# Altium PCB Farmduino.PcbDoc (part 3 of 3)
Units mm, origin at the board's own origin, x right, y up, seen from the top; angles counter-clockwise.
Board outline 134.37 x 105.55 mm, 4 copper layers (TOP, GND, VCC, BOTTOM), stack 0.844 mm thick; 272 components, 240 nets, 1041 pads, 348 vias.
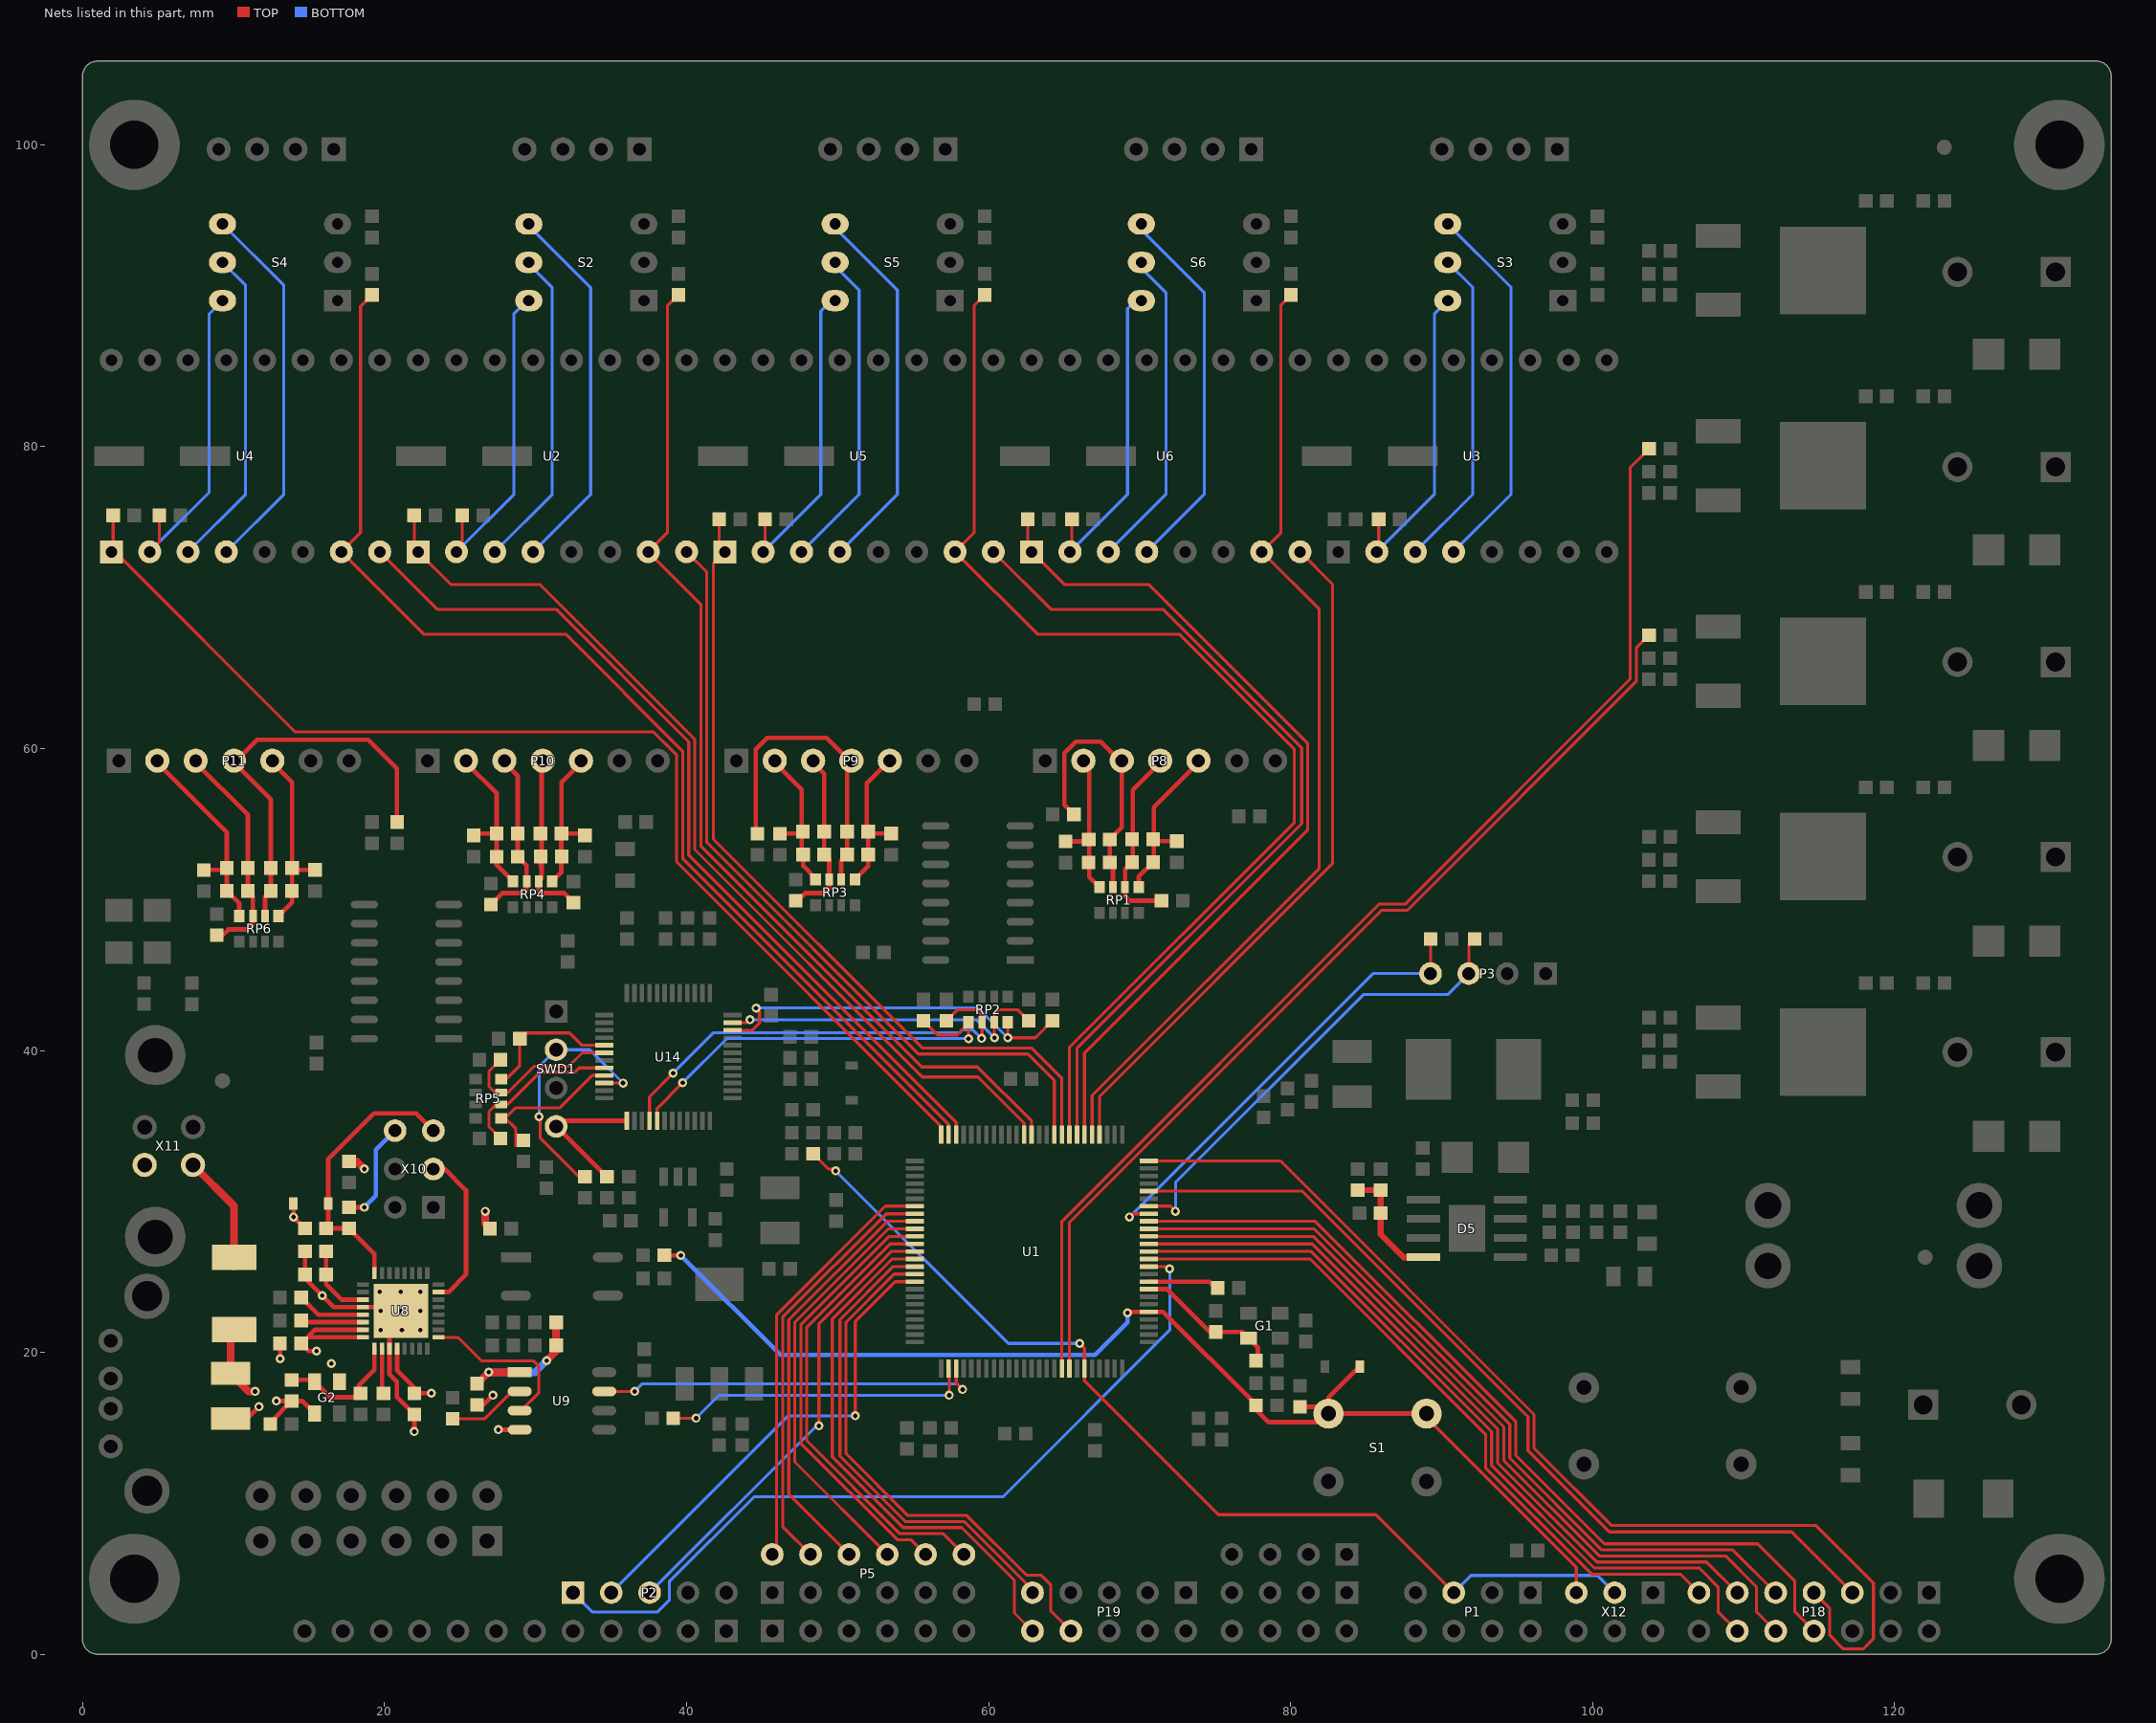
[diagram p5: the nets of this part, all layers, seen from the top]

## Via types
v1: diameter 0.6, hole 0.3, TOP to BOTTOM, 348 vias

## Nets (pads, with @x,y where several pads share a name; then routed paths per layer and width w, separated by ;. In a path a pad name is that pad's centre, name@x,y a point inside that pad or via, vN(x,y) a via of type N, cw(c..) or ccw(c..) an arc to the next point about the centre after c; other vN are vias at no path point) (continued)
PF5(A5): P2.2 U1.92 | length 32.3
  TOP w0.2: v1(51.173,15.797) 51.173,22.045 53.814,24.686 U1.92@55.107,24.686
  BOTTOM w0.2: P2.2@35.013,4.08 46.73,15.797 v1(51.173,15.797)
PF6(A6): P19.8 U1.91 | length 35.3
  TOP w0.2: U1.91@55.107,25.186 53.748,25.186 50.557,21.995 50.557,13.297 54.663,9.192 58.557,9.192 62.5,5.249 63.466,5.249 64.127,4.588 64.127,2.866 P19.8@65.453,1.54
PF7(A7): P19.9 U1.90 | length 32.1
  TOP w0.2: U1.90@55.107,25.686 53.683,25.686 50.157,22.16 50.157,13.132 54.497,8.792 58.391,8.792 62.913,4.27 P19.9@62.913,4.08
PG0(D18): P18.5 U1.46 | length 58.9
  TOP w0.2: U1.46@70.607,30.686 80.77,30.686 95.731,15.725 95.731,13.497 101.116,8.112 113.181,8.112 P18.5@117.213,4.08
PG1(D38): P18.7 U1.50 | length 71.4
  TOP w0.2: U1.50@70.607,32.686 79.336,32.686 96.131,15.891 96.131,13.663 101.269,8.525 114.8,8.525 118.61,4.715 118.61,1.032 117.928,0.35 116.625,0.35 115.723,1.252 115.723,3.03 P18.7@114.673,4.08
PK0(A8): P19.10 U1.89 | length 35.6
  TOP w0.2: U1.89@55.107,26.186 53.617,26.186 49.649,22.218 49.649,13.074 54.331,8.392 58.226,8.392 61.714,4.903 61.714,2.739 P19.10@62.913,1.54
PK1(A9): P2.3 U1.88 | length 30.9
  TOP w0.2: v1(48.76,15.129) 48.76,21.895 53.551,26.686 U1.88@55.107,26.686
  BOTTOM w0.2: P2.3@37.553,4.08 48.602,15.129 v1(48.76,15.129)
PL1(D48): P2.1 U1.36 | length 54
  TOP w0.2: U1.36@70.607,25.686 71.858,25.686 v1(72.001,25.543)
  BOTTOM w0.2: P2.1@32.473,4.08 33.743,2.81 38.092,2.81 38.854,3.572 38.854,4.815 44.469,10.43 60.952,10.43 72.001,21.479 v1(72.001,25.543)
PL2(D47): P18.13 U1.37 | length 46.9
  TOP w0.2: U1.37@70.607,26.186 81.311,26.186 92.918,14.578 92.918,12.35 99.956,5.312 105.821,5.312 P18.13@107.053,4.08
PL3(D46): P18.12 U1.38 | length 51.7
  TOP w0.2: U1.38@70.607,26.686 81.376,26.686 93.318,14.744 93.318,12.516 100.122,5.712 107.072,5.712 108.323,4.461 108.323,2.81 P18.12@109.593,1.54
PL4(D45): P18.11 U1.39 | length 49.9
  TOP w0.2: U1.39@70.607,27.186 81.442,27.186 93.718,14.91 93.718,12.681 100.288,6.112 107.561,6.112 P18.11@109.593,4.08
PL5(D44): P18.10 U1.40 | length 54.6
  TOP w0.2: U1.40@70.607,27.686 81.508,27.686 94.131,15.062 94.131,12.834 100.453,6.512 108.812,6.512 110.863,4.461 110.863,2.81 P18.10@112.133,1.54
PL6(D43): P18.9 U1.41 | length 52.8
  TOP w0.2: U1.41@70.607,28.186 81.573,28.186 94.531,15.228 94.531,13 100.619,6.912 109.301,6.912 P18.9@112.133,4.08
PL7(D42): P18.8 U1.42 | length 57.8
  TOP w0.2: U1.42@70.607,28.686 81.639,28.686 94.931,15.394 94.931,13.166 100.785,7.312 110.933,7.312 113.403,4.842 113.403,2.81 P18.8@114.673,1.54
RD+: R44.2 U8.29 | length 4.6
  TOP w0.3: R44.2@14.473,23.638 15.612,22.499 U8.29@18.574,22.499
RD-: R43.2 U8.30 | length 4
  TOP w0.3: R43.2@14.588,21.999 U8.30@18.574,21.999
RESET_U1(RESET): C7.1 C27.1 D1.1 R20.2 S1.2 U1.30 X12.5 | length 80.5
  TOP w0.2: S1.2@89.019,15.946 89.019,15.683 98.933,5.769 X12.5@98.933,4.08
  TOP w0.3: C27.1@38.523,26.432 v1(39.616,26.432) ; v1(69.207,22.622) 69.271,22.686 U1.30@70.607,22.686 71.556,22.686 77.716,16.526 C7.1@77.716,16.484 77.716,16.204 78.537,15.383 81.956,15.383 S1.2@82.161,15.588 ; R20.2@80.637,16.394 82.152,16.394 82.161,16.385 S1.2@82.161,15.588 ; D1.1@84.588,19.066 82.519,16.997 S1.2@82.519,15.946 ; S1.2@89.019,15.946 S1.2@82.519,15.946 ; S1.2@82.161,15.588 S1.2@82.519,15.946
  BOTTOM w0.3: v1(39.616,26.432) 46.22,19.828 67.048,19.828 69.207,21.987 v1(69.207,22.622)
RESET_U4: C22.1 D4.1 R38.2 U8.24 X10.5 | length 18.3
  TOP w0.3: R38.2@16.124,28.21 C22.1@17.645,28.21 19.324,26.531 U8.24@19.324,25.249 ; R38.2@16.262,28.348 D4.1@16.262,29.861 16.262,32.796 19.296,35.83 22.09,35.83 X10.5@23.233,34.687
RX0-T: U8.9 U9.3 | length 10.9
  TOP w0.2: U8.9@23.574,20.999 24.856,20.999 26.408,19.447 29.837,19.447 30.218,19.066 30.218,17.326 29.037,16.145 U9.3@28.948,16.145
RXD0(RX0): R46.1 U1.2 | length 20.7
  TOP w0.2: R46.1@39.108,15.637 v1(40.632,15.637) ; U1.2@57.357,18.936 57.396,18.897 v1(57.396,17.161)
  BOTTOM w0.2: v1(40.632,15.637) 42.156,17.161 v1(57.396,17.161)
SCK_U1: P1.5 R60.1 U1.20 X12.3 | length 67.3
  TOP w0.2: R60.1@48.379,33.163 49.395,32.147 49.755,32.147 v1(49.882,32.02) ; v1(66.032,20.59) 66.357,20.265 U1.20@66.357,18.936 66.357,18.115 75.223,9.249 85.644,9.249 P1.5@90.813,4.08
  BOTTOM w0.2: v1(49.882,32.02) 61.312,20.59 v1(66.032,20.59) ; P1.5@90.813,4.08 91.956,5.223 100.33,5.223 X12.3@101.473,4.08
SCK_U4: U8.15 X10.3 | length 10.6
  TOP w0.3: X10.3@23.233,32.147 23.995,32.147 25.392,30.75 25.392,25.162 24.229,23.999 U8.15@23.574,23.999
SCL(D21): P3.4 R16.1 U1.43 | length 30.3
  TOP w0.2: v1(69.334,28.972) 69.548,29.186 U1.43@70.607,29.186 ; P3.4@89.273,45.101 R16.1@89.273,47.387
  BOTTOM w0.2: v1(69.334,28.972) 85.463,45.101 P3.4@89.273,45.101
SDA(D20): P3.3 R17.1 U1.44 | length 31.4
  TOP w0.2: U1.44@70.607,29.686 72.049,29.686 v1(72.382,29.353) ; P3.3@91.813,45.101 91.813,47.006 R17.1@92.194,47.387
  BOTTOM w0.2: v1(72.382,29.353) 72.382,31.258 84.828,43.704 90.416,43.704 P3.3@91.813,45.101
SWCLK: R56.2 SWD1.4 U14.37 | length 9.8
  TOP w0.3: R56.2@34.727,31.642 34.692,31.642 SWD1.4@31.361,34.973 31.734,35.346 U14.37@36.045,35.346 ; R56.2@34.885,31.801 R56.2@35.044,31.642
SWDIO: R54.2 SWD1.2 U14.34 | length 17.2
  TOP w0.2: v1(30.231,35.611) 30.311,35.531 30.311,34.179 32.848,31.642 R54.2@33.52,31.642 ; U14.34@34.545,37.846 v1(35.79,37.846)
  BOTTOM w0.2: v1(30.231,35.611) 30.231,38.923 SWD1.2@31.361,40.053 33.583,40.053 v1(35.79,37.846)
TX0-T: R45.1 U9.2 | length 5.2
  TOP w0.2: R45.1@24.503,15.594 26.619,15.594 28.44,17.415 U9.2@28.948,17.415
TXAL1: C23.1 G2.1 R39.1 U8.1 | length 8.6
  TOP w0.2: G2.1@15.232,18.177 G2.1@15.359,18.05 ; R39.1@18.153,17.034 R39.1@18.407,17.288
  TOP w0.3: C23.1@13.835,18.177 G2.1@15.232,18.177 ; G2.1@15.359,18.05 16.375,17.034 R39.1@18.153,17.034 ; R39.1@18.153,17.288 18.28,17.415 18.28,17.796 19.324,18.84 U8.1@19.324,20.249
TXAL2: R42.2 U8.2 | length 3
  TOP w0.3: R42.2@19.804,17.293 19.824,17.313 U8.2@19.824,20.249
TXD0(TX0): U1.3 U9.7 | length 25.7
  TOP w0.2: U9.7@34.548,17.415 v1(36.568,17.415) ; U1.3@57.857,18.936 57.857,17.97 v1(58.285,17.542)
  BOTTOM w0.2: v1(36.568,17.415) 37.076,17.923 57.904,17.923 v1(58.285,17.542)
U1_MS1: R27.1 S2.6 U2.2 | length 21.1
  TOP w0.2: U2.2@24.757,73.04 25.138,73.421 R27.1@25.138,75.454
  BOTTOM w0.2: U2.2@24.757,73.04 28.567,76.85 28.567,88.821 S2.6@29.424,89.678
U1_MS2: S2.5 U2.3 | length 21.5
  BOTTOM w0.2: U2.3@27.297,73.04 31.107,76.85 31.107,90.535 S2.5@29.424,92.218
U1_MS3: S2.4 U2.4 | length 25
  BOTTOM w0.2: S2.4@29.424,94.758 33.647,90.535 33.647,76.85 U2.4@29.837,73.04
U2_MS1: R28.1 S3.6 U3.2 | length 20.8
  TOP w0.2: U3.2@85.717,73.04 85.844,73.167 R28.1@85.844,75.2
  BOTTOM w0.2: U3.2@85.717,73.04 89.527,76.85 89.527,88.789 S3.6@90.416,89.678
U2_MS2: S3.5 U3.3 | length 21.4
  BOTTOM w0.2: U3.3@88.257,73.04 92.067,76.85 92.067,90.567 S3.5@90.416,92.218
U2_MS3: S3.4 U3.4 | length 25
  BOTTOM w0.2: S3.4@90.416,94.758 94.607,90.567 94.607,76.85 U3.4@90.797,73.04
U3_MS1: R32.1 S4.6 U4.2 | length 21.3
  TOP w0.2: U4.2@4.437,73.04 5.072,73.675 R32.1@5.072,75.454
  BOTTOM w0.2: U4.2@4.437,73.04 8.374,76.977 8.374,88.789 S4.6@9.263,89.678
U3_MS2: S4.5 U4.3 | length 21.4
  BOTTOM w0.2: U4.3@6.977,73.04 10.787,76.85 10.787,90.694 S4.5@9.263,92.218
U3_MS3: S4.4 U4.4 | length 25
  BOTTOM w0.2: S4.4@9.263,94.758 13.327,90.694 13.327,76.85 U4.4@9.517,73.04
U4_MS1: R33.1 S5.6 U5.2 | length 20.7
  TOP w0.2: U5.2@45.077,73.04 45.204,73.167 R33.1@45.204,75.2
  BOTTOM w0.2: U5.2@45.077,73.04 48.887,76.85 48.887,88.979 S5.6@49.586,89.678
U4_MS2: S5.5 U5.3 | length 21.5
  BOTTOM w0.2: U5.3@47.617,73.04 51.427,76.85 51.427,90.376 S5.5@49.586,92.218
U4_MS3: S5.4 U5.4 | length 25.1
  BOTTOM w0.2: S5.4@49.586,94.758 53.967,90.376 53.967,76.85 U5.4@50.157,73.04
U5_MS1: R34.1 S6.6 U6.2 | length 20.7
  TOP w0.2: U6.2@65.397,73.04 65.524,73.167 R34.1@65.524,75.2
  BOTTOM w0.2: U6.2@65.397,73.04 69.207,76.85 69.207,89.138 S6.6@69.747,89.678
U5_MS2: S6.5 U6.3 | length 21.6
  BOTTOM w0.2: U6.3@67.937,73.04 71.747,76.85 71.747,90.218 S6.5@69.747,92.218
U5_MS3: S6.4 U6.4 | length 25.2
  BOTTOM w0.2: S6.4@69.747,94.758 74.287,90.218 74.287,76.85 U6.4@70.477,73.04
USBGND: C22.2 C23.2 C24.2 C25.1 C29.1 C30.1 C31.1 C32.1 E4.2 G2.2 G2.4 U8.3 U8.28 U8.33 U9.4 X10.6 X11.4 | length 34.5
  TOP w0.3: E4.2@9.796,15.609 10.886,15.609 v1(11.676,16.399) ; C24.2@12.435,15.256 12.435,15.377 C23.2@13.835,16.777 ; v1(12.822,16.777) C23.2@13.835,16.777 ; v1(13.073,19.574) C31.1@13.073,20.59 ; C29.1@14.724,26.686 C30.1@14.724,25.162 14.724,24.908 v1(15.865,23.766) 16.633,22.999 U8.28@18.574,22.999 U8.33@20.824,22.999 ; G2.2@15.359,15.95 14.532,16.777 C23.2@13.835,16.777 ; C22.2@17.645,29.61 v1(18.658,29.61) ; U8.33@20.324,21.999 U8.3@20.324,20.249 20.324,18.546 20.82,18.05 20.82,17.034 C32.1@21.963,15.891 v1(21.963,14.748) ; C25.1@26.131,16.526 26.535,16.526 v1(27.17,17.161) ; v1(27.534,14.875) U9.4@28.948,14.875
  BOTTOM w0.3: v1(18.658,29.61) 19.423,30.375 19.423,33.417 X10.6@20.693,34.687
  other v1: 16.47,19.27 19.729,21.479 21.15,21.479 22.368,21.479 19.729,22.753 21.074,22.753 22.368,22.753 19.677,24.019 21.074,24.019 22.368,24.019
USBVCC: C25.2 C31.2 C32.2 D4.2 E4.1 F2.2 R38.1 R48.1 R53.1 RX.1 TX.1 U8.4 U8.31 U8.32 U9.1 | length 33
  TOP w0.3: D4.2@13.962,29.861 v1(13.962,28.972) R38.1@14.724,28.21 ; v1(15.486,20.082) 14.981,20.082 C31.2@14.473,20.59 C31.2@14.882,20.999 ; U8.32@18.574,20.999 C31.2@14.882,20.999 ; U8.31@18.574,21.499 15.382,21.499 C31.2@14.882,20.999 ; U8.4@20.824,20.249 20.824,18.808 C32.2@21.963,17.669 ; C32.2@21.963,17.291 v1(23.103,17.291)
  TOP w0.5: F2.2@9.796,21.296 E4.1@9.796,18.609 10.99,17.415 v1(11.422,17.415) ; R53.1@17.645,32.655 18.153,32.655 v1(18.661,32.147) ; C25.2@26.131,17.926 v1(26.89,18.685) U9.1@28.948,18.685 ; v1(26.662,29.353) 26.662,28.521 R48.1@26.982,28.201 ; v1(30.726,19.447) 31.361,20.082 RX.1@31.361,20.463 TX.1@31.361,21.987
  BOTTOM w0.5: v1(26.89,18.685) 29.964,18.685 v1(30.726,19.447)
VACUUM(D9): R8.1 U1.18 | length 65.5
  TOP w0.2: U1.18@65.357,18.936 65.357,28.62 86.029,49.292 87.749,49.292 102.9,64.443 102.9,66.665 R8.1@103.751,67.516
VFB: C38.2 D5.4 R78.1 R79.1 | length 7.6
  TOP w0.4: R79.1@84.447,30.75 85.968,30.75 85.968,29.229 R78.1@85.971,29.226 85.971,27.829 87.495,26.305 D5.4@88.511,26.305
VUCAP: C29.2 C30.2 U8.27 | length 5
  TOP w0.3: C29.2@16.124,26.686 C30.2@16.124,25.162 16.124,24.524 17.149,23.499 U8.27@18.574,23.499
WATER(D8): R7.1 U1.17 | length 78
  TOP w0.2: U1.17@64.857,18.936 64.857,28.686 85.863,49.692 87.583,49.692 102.5,64.609 102.5,78.616 R7.1@103.751,79.867
X1_A(PA11): C52.2 RP5.6 U14.32 | length 10.9
  TOP w0.2: C52.2@27.681,34.179 26.916,34.944 26.916,35.957 27.375,36.416 RP5.6@27.727,36.416 28.137,36.416 30.284,38.563 32.602,38.563 32.885,38.846 U14.32@34.545,38.846
X1_A+: C60.2 P11.5 R101.2 R103.1 RP6.1 | length 12.5
  TOP w0.3: P11.5@12.565,59.071 13.865,57.771 R103.1@13.865,50.576 13.865,49.799 RP6.1@12.978,48.912 ; C60.2@13.995,51.963 R101.2@15.391,51.963
X1_A-: C60.1 P11.4 R103.2 R105.1 RP6.2 | length 27.1
  TOP w0.3: RP6.2@12.078,48.912 12.078,50.189 R103.2@12.465,50.576 12.465,56.631 10.025,59.071 11.549,60.595 18.915,60.595 20.82,58.69 R105.1@20.82,55.134
X1_B(PA12): C54.2 RP5.5 U14.33 | length 10.1
  TOP w0.2: RP5.5@27.727,35.516 RP5.5@27.992,35.516 ; 28.694,33.668 28.694,34.814 RP5.5@27.992,35.516 ; U14.33@34.545,38.346 33.75,38.346 31.615,36.211 28.687,36.211 RP5.5@27.992,35.516
X1_B+: C59.2 P11.3 R100.2 R102.1 RP6.3 | length 15
  TOP w0.3: P11.3@7.485,59.071 10.944,55.612 R102.1@10.944,50.576 11.278,50.242 RP6.3@11.278,48.912 11.278,48.386 10.914,48.022 9.644,48.022 9.26,47.638 R100.2@8.882,47.638
X1_B-: C59.1 P11.2 R102.2 R104.1 RP6.4 | length 13.8
  TOP w0.3: P11.2@4.945,59.071 9.544,54.472 R102.2@9.544,50.576 10.378,49.742 RP6.4@10.378,48.912 ; R104.1@8.025,51.96 C59.1@9.416,51.96
X1_DIR(D27): U1.73 U4.8 | length 59
  TOP w0.2: U4.8@19.677,73.04 23.486,69.231 31.361,69.231 40.143,60.449 40.143,52.956 57.857,35.242 U1.73@57.857,34.436
X1_EN(D25): R29.2 U1.75 U4.1 | length 77.6
  TOP w0.2: R29.2@2.021,75.454 2.021,73.164 14.082,61.103 37.819,61.103 39.341,59.58 39.341,52.487 56.857,34.972 U1.75@56.857,34.436
X1_STEP(D26): R22.1 U1.74 U4.7 | length 78.6
  TOP w0.2: R22.1@19.169,90.059 18.407,89.297 18.407,74.31 U4.7@17.137,73.04 22.597,67.58 31.996,67.58 39.743,59.833 39.743,52.724 57.357,35.11 U1.74@57.357,34.436
X2_A(PA8): C57.2 RP5.8 U14.29 | length 9.1
  TOP w0.2: RP5.8@28.059,38.116 28.952,39.009 C57.2@28.952,40.783 29.333,41.164 32.25,41.164 33.068,40.346 U14.29@34.545,40.346
X2_A+: C50.2 P10.5 R95.2 R97.1 RP4.1 | length 10.2
  TOP w0.3: RP4.1@31.107,51.197 31.704,51.794 31.704,54.365 C50.2@31.717,54.378 ; R97.1@31.717,52.696 R97.1@31.717,52.861 ; P10.5@33.012,59.071 31.717,57.776 C50.2@31.717,54.378 ; R95.2@33.136,54.378 C50.2@31.717,54.378
X2_A-: C50.1 P10.4 R97.2 R99.1 RP4.2 | length 11.8
  TOP w0.3: 30.338,52.217 R97.2@30.338,52.861 ; P10.4@30.407,59.006 30.407,51.397 RP4.2@30.207,51.197 30.207,50.573 30.345,50.435 31.869,50.435 R99.1@32.504,49.8
X2_B(PA9): C56.2 RP5.7 U14.30 | length 11
  TOP w0.2: C56.2@27.681,39.386 26.916,38.621 26.916,37.608 27.308,37.216 RP5.7@27.727,37.216 28.175,37.216 29.922,38.963 32.208,38.963 33.091,39.846 U14.30@34.545,39.846
X2_B+: C51.2 P10.3 R94.2 R96.1 RP4.3 | length 14.4
  TOP w0.3: R94.2@27.043,49.67 27.808,50.435 29.202,50.435 29.407,50.64 RP4.3@29.407,51.197 29.407,52.262 R96.1@28.821,52.848 28.821,58.182 P10.3@27.932,59.071 ; 28.824,55.261 28.824,57.84
X2_B-: C51.1 P10.2 R96.2 R98.1 RP4.4 | length 10.6
  TOP w0.3: P10.2@25.392,59.071 27.424,57.039 C51.1@27.424,54.372 ; R98.1@26.027,54.372 C51.1@27.424,54.372 ; RP4.4@28.507,51.197 27.424,52.28 C51.1@27.424,54.372
X2_DIR(D30): U1.60 U2.8 | length 52.9
  TOP w0.2: U2.8@39.997,73.04 41.343,71.694 41.343,53.788 55.364,39.767 62.603,39.767 64.357,38.013 U1.60@64.357,34.436
X2_EN(D14): R25.2 U1.64 U2.1 | length 63.4
  TOP w0.2: R25.2@21.96,75.454 21.96,73.297 U2.1@22.217,73.04 24.375,70.882 30.276,70.882 40.543,60.615 40.543,53.318 55.618,38.243 59.301,38.243 62.357,35.187 U1.64@62.357,34.436
X2_STEP(D15): R35.1 U1.63 U2.7 | length 69.1
  TOP w0.2: R35.1@39.457,90.059 38.727,89.329 38.727,74.31 U2.7@37.457,73.04 40.943,69.554 40.943,53.553 55.58,38.916 59.263,38.916 62.857,35.322 U1.63@62.857,34.436
X-MAX(A14): P5.4 U1.83 | length 28.1
  TOP w0.2: P5.4@48.213,6.62 46.366,8.467 46.366,22.329 53.223,29.186 U1.83@55.107,29.186
X-MIN(A15): P5.2 U1.82 | length 28.1
  TOP w0.2: P5.2@45.673,6.62 45.966,6.913 45.966,10.176 45.966,22.495 53.157,29.686 U1.82@55.107,29.686
XTAL1: R19.2 U1.34 | length 4.8
  TOP w0.3: U1.34@70.607,24.686 74.633,24.686 R19.2@75.173,24.146
XTAL2: C1.1 G1.1 R18.1 U1.33 | length 9.7
  TOP w0.3: U1.33@70.607,24.186 71.834,24.186 74.668,21.352 R18.1@75.049,21.352 76.803,21.352 G1.1@77.215,20.94 77.843,20.312 C1.1@77.843,19.447
XVCC: F2.1 X11.1 | length 7.9
  TOP w0.5: X11.1@7.307,32.421 10.025,29.703 F2.1@10.025,25.67
Y-MAX(A12): P5.8 U1.85 | length 28.4
  TOP w0.2: P5.8@53.293,6.62 47.166,12.747 47.166,21.998 53.354,28.186 U1.85@55.107,28.186
Y-MIN(A13): P5.6 U1.84 | length 28.2
  TOP w0.2: P5.6@50.753,6.62 46.766,10.607 46.766,22.164 53.288,28.686 U1.84@55.107,28.686
Y_A(PB4): C39.2 RP2.6 U14.40 | length 29.6
  TOP w0.2: U14.40@37.499,35.392 U14.40@37.545,35.346 37.545,36.934 v1(39.108,38.497) ; C39.2@57.206,41.974 57.92,42.688 59.174,42.688 59.555,42.307 ; v1(59.537,40.798) 59.57,40.831 RP2.6@59.57,41.877
  BOTTOM w0.2: v1(39.108,38.497) 41.798,41.187 58.083,41.187 58.283,41.387 58.948,41.387 v1(59.537,40.798)
Y_A+: C67.2 P9.5 R89.2 R91.1 RP3.1 | length 10.1
  TOP w0.3: RP3.1@51.143,51.324 52.03,52.211 R91.1@52.03,54.505 ; R91.1@51.933,54.505 51.933,57.714 P9.5@53.29,59.071 ; R91.1@52.16,54.375 R89.2@53.556,54.375
Y_A-: C67.1 P9.4 R91.2 R93.1 RP3.2 | length 21.2
  TOP w0.3: R93.1@44.696,54.367 44.577,54.486 44.577,59.968 45.331,60.722 49.099,60.722 ; 49.141,60.722 49.099,60.722 ; RP3.2@50.243,51.324 50.243,52.596 C67.1@50.635,52.988 C67.1@50.538,53.085 ; P9.4@50.533,58.854 50.533,58.695 P9.4@50.538,58.69 ; C67.1@50.63,53.177 R91.2@50.63,54.505 50.63,58.782 50.919,59.071 49.268,60.722 49.099,60.722
Y_B(PB5): C40.2 RP2.5 U14.41 | length 28.2
  TOP w0.2: U14.41@38.092,35.393 U14.41@38.045,35.346 38.045,36.164 v1(39.743,37.862) ; C40.2@55.682,41.974 56.619,41.037 57.904,41.037 RP2.5@58.67,41.803 ; v1(58.67,40.787) RP2.5@58.67,41.803 ; RP2.5@58.67,41.877 RP2.5@58.67,41.803
  BOTTOM w0.2: v1(39.743,37.862) 42.668,40.787 v1(58.67,40.787)
Y_B+: C44.2 P9.3 R88.2 R90.1 RP3.3 | length 11.3
  TOP w0.3: R88.2@47.236,49.924 47.36,49.924 47.871,50.435 49.141,50.435 49.443,50.737 RP3.3@49.443,51.324 49.443,52.659 C44.2@49.114,52.988 49.114,58.336 P9.3@48.379,59.071
Y_B-: C44.1 P9.2 R90.2 R92.1 RP3.4 | length 10.3
  TOP w0.3: P9.2@45.839,59.071 47.617,57.293 C44.1@47.617,52.915 ; R92.1@46.19,54.37 R90.2@47.615,54.37 ; C44.1@47.714,52.988 47.714,52.241 48.543,51.412 RP3.4@48.543,51.324
Y_DIR(D33): U1.57 U5.8 | length 57.6
  TOP w0.2: U5.8@60.317,73.04 64.126,69.231 71.562,69.231 80.745,60.048 80.745,55.029 65.857,40.141 U1.57@65.857,34.436
Y_EN(D31): R30.2 U1.59 U5.1 | length 55
  TOP w0.2: R30.2@42.153,75.2 42.153,73.424 U5.1@42.537,73.04 41.775,72.278 41.775,53.991 55.599,40.167 62.838,40.167 64.857,38.148 U1.59@64.857,34.436
Y_STEP(D32): R36.1 U1.58 U5.7 | length 77.4
  TOP w0.2: R36.1@59.746,90.059 59.047,89.36 59.047,74.31 U5.7@57.777,73.04 63.237,67.58 72.636,67.58 80.256,59.96 80.256,55.106 65.357,40.207 U1.58@65.357,34.436
Z-MAX(A10): P5.12 U1.87 | length 30.5
  TOP w0.2: U1.87@55.107,27.186 53.485,27.186 47.966,21.666 47.966,14.145 54.119,7.992 57.001,7.992 P5.12@58.373,6.62
Z-MIN(A11): P5.10 U1.86 | length 29.1
  TOP w0.2: U1.86@55.107,27.686 53.42,27.686 47.566,21.832 47.566,13.979 53.953,7.592 54.861,7.592 P5.10@55.833,6.62
Z_A(PA1): C42.2 RP2.8 U14.10 | length 25.2
  TOP w0.2: U14.10@43.045,41.326 U14.10@43.045,41.346 44.353,41.346 44.831,41.823 44.831,42.588 v1(44.604,42.815) ; RP2.8@61.27,41.877 v1(61.27,40.846) 63.105,40.846 C42.2@64.233,41.974 ; C42.2@64.134,42.073 C42.2@64.233,42.172
  BOTTOM w0.2: v1(44.604,42.815) 59.301,42.815 v1(61.27,40.846)
Z_A+: C36.2 P8.5 R82.2 R84.1 RP1.1 | length 11.5
  TOP w0.3: RP1.1@69.943,50.816 69.943,51.518 R84.1@70.905,52.48 70.946,52.521 C36.2@70.946,53.997 ; R82.2@72.473,53.867 71.076,53.867 C36.2@70.946,53.997 ; P8.5@73.906,59.071 70.946,56.111 C36.2@70.946,53.997
Z_A-: C36.1 P8.4 R84.2 R86.1 RP1.2 | length 12.3
  TOP w0.3: R84.2@69.505,52.48 69.043,52.018 RP1.2@69.043,50.816 69.043,50.218 69.334,49.927 R86.1@71.457,49.927 ; R84.2@69.546,52.521 69.546,57.251 P8.4@71.366,59.071
Z_B(PA2): C41.2 RP2.7 U14.11 | length 22.2
  TOP w0.2: U14.11@43.045,41.846 44.005,41.846 v1(44.196,42.037) ; v1(60.403,40.836) 60.37,40.869 RP2.7@60.37,41.877 60.37,42.36 60.698,42.688 61.953,42.688 C41.2@62.667,41.974
  BOTTOM w0.2: v1(44.196,42.037) 59.202,42.037 v1(60.403,40.836)
Z_B+: C35.2 P8.3 R50.2 R83.1 RP1.3 | length 17.7
  TOP w0.3: R50.2@65.654,55.642 65.016,56.28 65.016,59.706 65.778,60.468 67.429,60.468 68.826,59.071 68.826,54.777 C35.2@68.033,53.984 68.033,52.472 R83.1@68.028,52.467 68.243,52.252 RP1.3@68.243,50.816
Z_B-: C35.1 P8.2 R83.2 R85.1 RP1.4 | length 10.1
  TOP w0.3: R85.1@65.107,53.849 C35.1@66.529,53.849 ; P8.2@66.286,59.071 66.669,58.688 66.669,51.49 RP1.4@67.343,50.816
Z_DIR(D36): U1.54 U6.8 | length 45.9
  TOP w0.2: U1.54@67.357,34.436 67.357,36.959 82.777,52.379 82.777,70.9 U6.8@80.637,73.04
Z_EN(D34): R31.2 U1.56 U6.1 | length 57.8
  TOP w0.2: R31.2@62.6,75.2 62.6,73.297 U6.1@62.857,73.04 65.015,70.882 70.604,70.882 81.145,60.341 81.145,54.626 66.357,39.838 U1.56@66.357,34.436
Z_STEP(D35): R37.1 U1.55 U6.7 | length 64.2
  TOP w0.2: U1.55@66.857,34.436 66.857,37.024 81.907,52.074 81.907,69.23 U6.7@78.097,73.04 79.367,74.31 79.367,89.392 R37.1@80.034,90.059
pads on no net: D5.2 D5.3 MA1.1 MA2.1 MA3.1 P1.2 P1.8 P18.14 U1.4 U1.8 U1.9 U1.12 U1.13 U1.14 U1.27 U1.28 U1.29 U1.47 U1.48 U1.49 U1.65 U1.66 U1.67 U1.68 U1.69 U1.70 U1.71 U1.72 U1.76 U1.77 U1.79 U8.5 U8.6 U8.7 U8.12 U8.14 U8.18 U8.19 U8.20 U8.21 U8.22 U8.23 U8.25 U8.26 U14.2 U14.3 U14.4 U14.6 U14.12 U14.13 U14.18 U14.19 U14.20 U14.21 U14.22 U14.25 U14.26 U14.27 U14.28 U14.31 U14.38 U14.39 U14.42 U14.43 U14.45 U14.46 X8.2 X8.3 X11.6

## Polygon pours and split planes (outlines as drawn)
GND on GND "BOTTOM-No Net" (hatched 90Degree grid 0.203 track 0.203, remove dead copper, pour order 93): 11.168,0.27 cw(c11.168,1.921) 9.517,1.921 9.517,2.048 9.517,9.414 cw(c10.787,9.414) 10.787,10.684 32.856,10.684 ccw(c32.856,11.47) 33.642,11.47 33.642,30.501 26.334,37.809 16.006,37.809 cw(c16.006,39.345) 14.47,39.345 14.47,47.758 ccw(c13.545,47.758) 13.545,48.683 5.528,48.683 cw(c5.528,49.901) 4.31,49.901 4.31,80.661 cw(c5.326,80.661) 5.326,81.677 101.084,81.677 cw(c101.084,80.788) 101.973,80.788 101.973,23.183 100.068,21.278 96.775,17.985 96.775,15.891 103.252,9.414 115.689,9.414 122.674,9.414 cw(c122.674,8.652) 123.436,8.652 123.436,1.032 cw(c122.674,1.032) 122.674,0.27 11.168,0.27
USBGND on GND "GND-No Net" (hatched 90Degree grid 0.203 track 0.203, remove dead copper, pour order 57): 20.439,13.224 9.771,13.224 cw(c9.771,14.113) 8.882,14.113 8.882,29.607 ccw(c7.993,29.607) 7.993,30.496 2.532,30.496 cw(c2.532,31.512) 1.516,31.512 1.516,35.322 cw(c2.405,35.322) 2.405,36.211 21.328,36.211 cw(c21.328,35.322) 22.217,35.322 22.217,31.258 ccw(c23.614,31.258) 23.614,29.861 29.456,29.861 cw(c29.456,28.718) 30.599,28.718 30.599,14.113 cw(c29.71,14.113) 29.71,13.224 20.439,13.224
5V on VCC "BOTTOM-No Net" (hatched 90Degree grid 0.203 track 0.203, remove dead copper, pour order 91): 11.041,0.27 cw(c11.041,1.794) 9.517,1.794 9.517,9.795 cw(c10.406,9.795) 10.406,10.684 32.782,10.684 ccw(c32.782,11.534) 33.633,11.534 33.633,19.388 cw(c34.454,19.388) 34.454,20.209 50.135,20.209 ccw(c50.135,20.971) 50.897,20.971 50.897,48.353 ccw(c50.085,48.353) 50.085,49.165 27.932,49.165 ccw(c27.932,48.276) 27.043,48.276 27.043,40.298 cw(c26.131,40.298) 26.131,39.386 15.317,39.386 cw(c15.317,40.36) 14.343,40.36 14.343,47.91 ccw(c13.342,47.91) 13.342,48.911 5.3,48.911 cw(c5.3,49.901) 4.31,49.901 4.31,80.661 cw(c5.326,80.661) 5.326,81.677 100.068,81.677 cw(c100.068,80.915) 100.83,80.915 100.83,23.581 99.617,22.368 96.775,19.526 96.775,10.303 96.775,1.041 cw(c96.004,1.041) 96.004,0.27 11.041,0.27
USBVCC on VCC "GND-No Net" (hatched 90Degree grid 0.203 track 0.203, remove dead copper, pour order 59): 29.837,13.224 9.771,13.224 cw(c9.771,14.24) 8.755,14.24 8.755,32.909 cw(c9.517,32.909) 9.517,33.671 22.725,33.671 cw(c22.725,32.655) 23.741,32.655 23.741,31.258 ccw(c25.011,31.258) 25.011,29.988 29.583,29.988 cw(c29.583,28.972) 30.599,28.972 30.599,13.986 cw(c29.837,13.986) 29.837,13.224
3.3V on VCC "GND-No Net" (hatched 90Degree grid 0.203 track 0.203, remove dead copper, pour order 65): 45.204,23.638 34.409,23.638 cw(c34.409,24.4) 33.647,24.4 33.647,47.133 cw(c34.536,47.133) 34.536,48.022 48.633,48.022 cw(c48.633,46.879) 49.776,46.879 49.776,25.162 cw(c48.252,25.162) 48.252,23.638 45.204,23.638
GND on TOP "BOTTOM-No Net" (hatched 90Degree grid 0.203 track 0.203, remove dead copper, pour order 85): 11.109,0.352 cw(c11.109,1.815) 9.645,1.815 9.645,2.602 9.645,9.481 cw(c10.703,9.481) 10.703,10.539 32.779,10.539 ccw(c32.779,11.534) 33.774,11.534 33.774,30.496 28.948,35.322 26.346,37.924 21.868,37.924 15.678,37.924 cw(c15.678,39.132) 14.47,39.132 14.47,47.944 ccw(c13.63,47.944) 13.63,48.784 5.31,48.784 cw(c5.31,49.792) 4.302,49.792 4.302,85.987 cw(c5.326,85.987) 5.326,87.011 101.338,87.011 cw(c101.338,85.995) 102.354,85.995 102.354,23.257 97.587,18.49 97.587,14.943 99.179,13.351 102.989,9.541 109.97,9.541 122.586,9.541 cw(c122.586,8.692) 123.435,8.692 123.435,0.904 cw(c122.674,0.904) 122.674,0.143 11.318,0.143 cw(c11.318,0.352) 11.109,0.352
USBGND on TOP "GND-No Net" (hatched 90Degree grid 0.203 track 0.203, remove dead copper, pour order 73): 20.439,13.224 9.771,13.224 cw(c9.771,14.113) 8.882,14.113 8.882,29.607 ccw(c7.993,29.607) 7.993,30.496 2.532,30.496 cw(c2.532,31.512) 1.516,31.512 1.516,35.322 cw(c2.405,35.322) 2.405,36.211 21.328,36.211 cw(c21.328,35.322) 22.217,35.322 22.217,31.258 ccw(c23.614,31.258) 23.614,29.861 29.456,29.861 cw(c29.456,28.718) 30.599,28.718 30.599,14.113 cw(c29.71,14.113) 29.71,13.224 20.439,13.224
GND on BOTTOM "BOTTOM-No Net" (hatched 90Degree grid 0.203 track 0.203, remove dead copper, pour order 95): 43.045,0.27 27.424,0.27 cw(c27.424,1.54) 26.154,1.54 26.154,9.033 cw(c27.805,9.033) 27.805,10.684 32.594,10.684 ccw(c32.594,11.737) 33.647,11.737 33.647,30.496 26.219,37.924 15.485,37.924 cw(c15.485,38.939) 14.47,38.939 14.47,47.96 ccw(c13.748,47.96) 13.748,48.682 5.125,48.682 cw(c5.125,49.495) 4.312,49.495 4.312,86.377 cw(c5.072,86.377) 5.072,87.138 101.338,87.138 cw(c101.338,86.376) 102.1,86.376 102.1,85.614 cw(c101.211,85.614) 101.211,84.725 ccw(c101.211,83.963) 100.449,83.963 100.449,22.082 99.211,20.844 97.587,19.22 97.587,15.891 103.162,10.316 105.008,10.316 106.226,9.098 110.99,4.334 110.99,2.429 110.99,0.905 cw(c110.482,0.905) 110.482,0.397 cw(c110.355,0.397) 110.355,0.27 43.045,0.27
USBGND on BOTTOM "GND-No Net" (hatched 90Degree grid 0.203 track 0.203, remove dead copper, pour order 75): 20.439,13.224 9.771,13.224 cw(c9.771,14.113) 8.882,14.113 8.882,29.607 ccw(c7.993,29.607) 7.993,30.496 2.532,30.496 cw(c2.532,31.512) 1.516,31.512 1.516,35.322 cw(c2.405,35.322) 2.405,36.211 21.328,36.211 cw(c21.328,35.322) 22.217,35.322 22.217,31.258 ccw(c23.614,31.258) 23.614,29.861 29.456,29.861 cw(c29.456,28.718) 30.599,28.718 30.599,14.113 cw(c29.71,14.113) 29.71,13.224 20.439,13.224

## Keep-outs
Keep-Out Layer:
  the board outline again, w0.1

## Other copper
TOP:
  rectangle net 3.3V: 40.632,20.209 45.585,25.543
  rectangle net GND: 90.482,25.162 92.918,30.115
  rectangle net NetC43_1: 93.21,29.861 95.75,41.164
  rectangle net NetLED5_2: 112.387,36.211 125.849,43.577
  rectangle net NetLED1_2: 112.387,87.773 125.341,95.266
  rectangle net NetLED2_2: 112.387,74.692 125.341,82.312
  rectangle net NetLED3_2: 112.387,62.119 125.468,69.358
  rectangle net NetLED4_2: 112.387,49.165 125.468,56.404
  rectangle net GND: 106.799,74.692 109.847,77.232
  rectangle net GND: 106.799,61.738 109.847,64.278
  rectangle net GND: 106.799,48.784 109.847,51.324
  rectangle net GND: 106.799,35.83 109.847,38.37
  rectangle net GND: 106.799,87.646 109.847,90.186
  pour cut-out: 32.758,11.827 36.568,8.017 36.568,-0.619 34.155,-0.619 32.758,0.778
  pour cut-out: 4.183,60.66 4.183,57.209 -0.008,57.209 -0.008,60.66
  pour cut-out: 102.227,74.057 102.227,71.136 102.608,70.755 104.386,70.755 104.513,70.882 104.513,73.93 104.132,74.311 102.608,74.311 102.354,74.057
  pour cut-out: 24.63,60.66 24.63,57.209 20.439,57.209 20.439,60.66
  pour cut-out: 45.077,60.66 45.077,57.209 40.886,57.209 40.886,60.66
  pour cut-out: 65.524,60.66 65.524,57.209 61.333,57.209 61.333,60.66
  pour cut-out: 12.565,21.479 12.565,18.812 11.549,17.796 12.692,17.796 12.819,17.669 12.819,21.225
GND:
  rectangle net GND: 103.751,36.084 110.609,89.932
  rectangle net NetLED5_2: 112.514,37.735 125.722,43.577
  rectangle net NetLED1_2: 112.387,87.773 125.341,95.266
  rectangle net NetLED2_2: 112.387,74.851 125.341,82.312
  rectangle net NetLED3_2: 112.387,61.928 125.341,69.358
  rectangle net NetLED4_2: 112.387,49.006 125.341,56.404
  pour cut-out: 65.524,60.66 65.524,57.209 62.095,57.209 62.095,60.66
  pour cut-out: 45.077,60.66 45.077,57.209 41.648,57.209 41.648,60.66
  pour cut-out: 24.63,60.66 24.63,57.209 21.201,57.209 21.201,60.66
VCC:
  rectangle net 24V: 127.246,36.338 131.945,92.726
  rectangle net NetLED1_2: 112.387,87.773 125.341,95.266
  rectangle net NetLED2_2: 112.387,74.851 125.341,82.312
  rectangle net NetLED3_2: 112.387,61.928 125.341,69.358
  rectangle net NetLED4_2: 112.387,49.006 125.341,56.404
  rectangle net NetLED5_2: 112.387,37.1 125.341,43.577
  pour cut-out: 4.056,60.787 4.056,57.336 0.627,57.336 0.627,60.787
  pour cut-out: 24.503,60.787 24.503,57.336 21.074,57.336 21.074,60.787
  pour cut-out: 44.95,60.787 44.95,57.336 41.521,57.336 41.521,60.787
  pour cut-out: 65.397,60.787 65.397,57.336 61.968,57.336 61.968,60.787
BOTTOM:
  rectangle net NetLED1_2: 112.387,87.773 125.341,95.266
  rectangle net NetLED2_2: 112.387,74.851 125.341,82.312
  rectangle net NetLED3_2: 112.387,61.928 125.341,69.358
  rectangle net NetLED4_2: 112.387,49.006 125.341,56.404
  rectangle net NetLED5_2: 112.387,36.084 125.341,43.577
  pour cut-out: 2.913,36.592 2.913,30.115 2.532,29.734 2.405,29.861 1.516,29.861 1.516,36.4 1.708,36.592
  pour cut-out: 65.842,60.744 65.842,57.293 61.651,57.293 61.651,60.744
  pour cut-out: 45.395,60.744 45.395,57.293 41.204,57.293 41.204,60.744
  pour cut-out: 24.948,60.744 24.948,57.293 20.757,57.293 20.757,60.744
  pour cut-out: 4.501,60.744 4.501,57.293 0.31,57.293 0.31,60.744

## Silkscreen, mask and mechanical layers (free items; w line width, h text height)
Top Overlay:
  drawing of 145 lines, arcs and shapes, not listed
  text "X1 MOTOR" at 7.104,103.648 h1.5
  text "X2 MOTOR" at 27.297,103.648 h1.5
  text "Y MOTOR" at 48.379,103.648 h1.5
  text "Z MOTOR" at 68.572,103.648 h1.5
  text "AUX MOTOR" at 87.368,103.648 h1.5
  text "Rev. 1.7A" at 121.277,102.14 h1.5
  text "RoHS" at 103.251,98.679 h2.5
  text "COMPLIANT" at 102.87,97.282 h1.3
  text "LIGHTING" at 124.46,95.504 h1.2
  text "MS3" at 4.564,94.25 h0.9
  text "MS3" at 24.852,94.25 h0.9
  text "MS3" at 45.141,94.25 h0.9
  text "MS3" at 65.429,94.25 h0.9
  text "MS3" at 85.717,94.25 h0.9
  text "MS2" at 4.564,91.71 h0.9
  text "MS2" at 24.852,91.71 h0.9
  text "MS2" at 45.141,91.71 h0.9
  text "MS2" at 65.429,91.71 h0.9
  text "MS2" at 85.717,91.71 h0.9
  text "MS1" at 4.564,89.17 h0.9
  text "MS1" at 24.852,89.17 h0.9
  text "MS1" at 45.141,89.17 h0.9
  text "MS1" at 65.429,89.17 h0.9
  text "MS1" at 85.717,89.17 h0.9
  text "GND" at 19.042,87.773 h0.9
  text "GND" at 59.365,87.773 h0.9
  text "GND" at 79.526,87.773 h0.9
  text "GND" at 99.814,87.773 h0.9
  text "GND" at 39.173,87.743 h0.8
  text "WATER" at 124.435,82.693 h1.2
  text "VACUUM" at 124.435,69.739 h1.2
  text "X1 ENCODER" at 3.421,62.5 h1.5
  text "X2 ENCODER" at 23.614,62.5 h1.5
  text "Y ENCODER" at 43.934,62.5 h1.5
  text "Z ENCODER" at 65.397,62.5 h1.5
  text "farm.bot" at 84.193,59.579 h4
  text "PERIPH 4" at 124.435,56.721 h1.2
  text "I2C" at 98.544,44.466 h1.52
  text "PERIPH 5" at 124.435,43.831 h1.2
  text "USB" at 12.184,33.29 h0.8 r90
  text "24V POWER  IN" at 119.626,22.114 h2
  text "VCC" at 120.007,20.463 h2
  text "GND" at 126.992,20.463 h2
  text "RESET" at 85.61,17.542 h1.2
  text "POWER OUT" at 7.612,13.986 h0.8 r90
  text "ENDSTOPS" at 47.109,12.716 h0.8
  text "SERVOS" at 76.827,9.541 h0.8
  text "UTM" at 35.679,8.652 h1.5
  text "ANALOG IN" at 64.381,8.271 h0.9
  text "DIGITAL IO" at 110.355,8.271 h0.9
  text "X-MIN" at 45.966,8.158 h0.8 r90
  text "X-MAX" at 48.506,8.158 h0.8 r90
  text "Y-MIN" at 51.046,8.158 h0.8 r90
  text "Y-MAX" at 53.586,8.158 h0.8 r90
  text "Z-MIN" at 56.126,8.158 h0.8 r90
  text "Z-MAX" at 58.666,8.158 h0.8 r90
  text "D4" at 75.43,8.144 h0.8
  text "D5" at 77.97,8.144 h0.8
  text "D6" at 80.51,8.144 h0.8
  text "D11" at 82.796,8.144 h0.8
  text "D48" at 31.996,7.001 h0.8
  text "A5" at 34.79,7.001 h0.8
  text "A9" at 37.288,7.001 h0.8
  text "GND" at 39.616,7.001 h0.8
  text "5V" at 42.283,7.001 h0.8
  text "A7" at 62.349,6.747 h0.8
  text "A4" at 64.889,6.747 h0.8
  text "A2" at 67.443,6.747 h0.8
  text "A0" at 69.983,6.747 h0.8
  text "5V" at 72.269,6.747 h0.8
  text "D47" at 106.037,6.747 h0.8
  text "D45" at 108.577,6.747 h0.8
  text "D43" at 111.142,6.747 h0.8
  text "D38" at 113.708,6.747 h0.8
  text "D18" at 116.273,6.747 h0.8
  text "D2" at 118.839,6.747 h0.8
  text "5V" at 121.15,6.747 h0.8
  text "ICSP" at 100.068,5.858 h0.8
  text "E" at 31.996,5.731 h0.8
  text "D" at 34.79,5.731 h0.8
  text "C" at 37.372,5.731 h0.8
  text "B" at 39.955,5.731 h0.8
  text "A" at 42.537,5.731 h0.8
  text "SPI" at 91.305,5.731 h0.8
  text "A8" at 62.363,5.604 h0.8
  text "A6" at 64.889,5.604 h0.8
  text "A3" at 67.443,5.604 h0.8
  text "A1" at 69.983,5.604 h0.8
  text "GND" at 72.001,5.604 h0.8
  text "GND" at 106.037,5.604 h0.8
  text "D46" at 108.577,5.604 h0.8
  text "D44" at 111.142,5.604 h0.8
  text "D42" at 113.708,5.604 h0.8
  text "D19" at 116.273,5.604 h0.8
  text "D3" at 118.839,5.604 h0.8
  text "GND" at 121.15,5.604 h0.8
  text "L" at 14.47,3.191 h0.8
  text "K" at 16.999,3.191 h0.8
  text "J" at 19.527,3.191 h0.8
  text "I" at 22.055,3.191 h0.8
  text "H" at 24.584,3.191 h0.8
  text "G" at 27.112,3.191 h0.8
  text "F" at 29.641,3.191 h0.8
  text "5V" at 86.098,3.191 h0.8 r90
  text "GND" at 60.698,3.064 h0.8 r90
  text "5V" at 60.825,0.905 h0.8 r90
  text "GND" at 86.098,0.524 h0.8 r90
Top Solder:
  drawing of 5 lines, arcs and shapes, not listed

## Text inside footprints (layer, text, board x,y; h text height)
D2: Top Overlay "+" at 127.881,12.335 h0.7 r180
V1: Top Overlay "+" at 124.953,84.19 h0.7
V2: Top Overlay "+" at 124.953,71.236 h0.7
V3: Top Overlay "+" at 124.953,58.282 h0.7
V4: Top Overlay "+" at 124.953,45.328 h0.7
V5: Top Overlay "+" at 124.953,32.374 h0.7
V6: Top Overlay "+" at 89.774,30.977 h0.7